# Altium PCB SPIDER_ROBOT.PcbDoc
Units mil, origin at the board's own origin, x right, y up, seen from the top; angles counter-clockwise.
Board outline 3267.72 x 1653.54 mil, 2 copper layers (Top Layer, Bottom Layer); 16 components, 26 nets, 98 pads, 5 vias.
Unrouted connection lines stored in the file: 50.
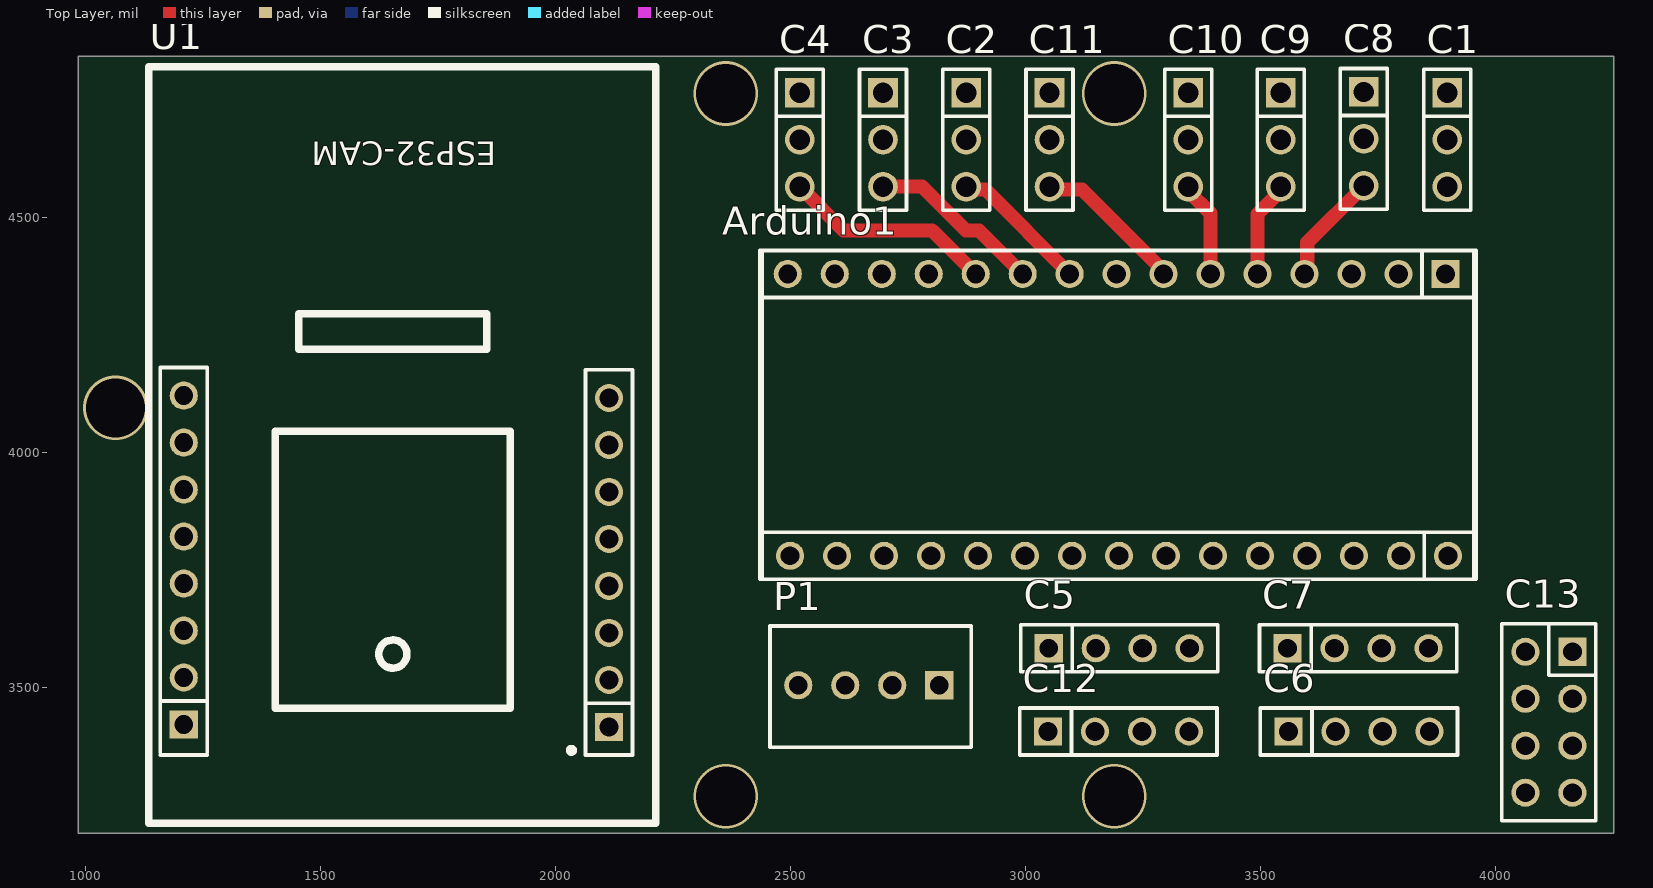
[diagram p0: Top Layer view]
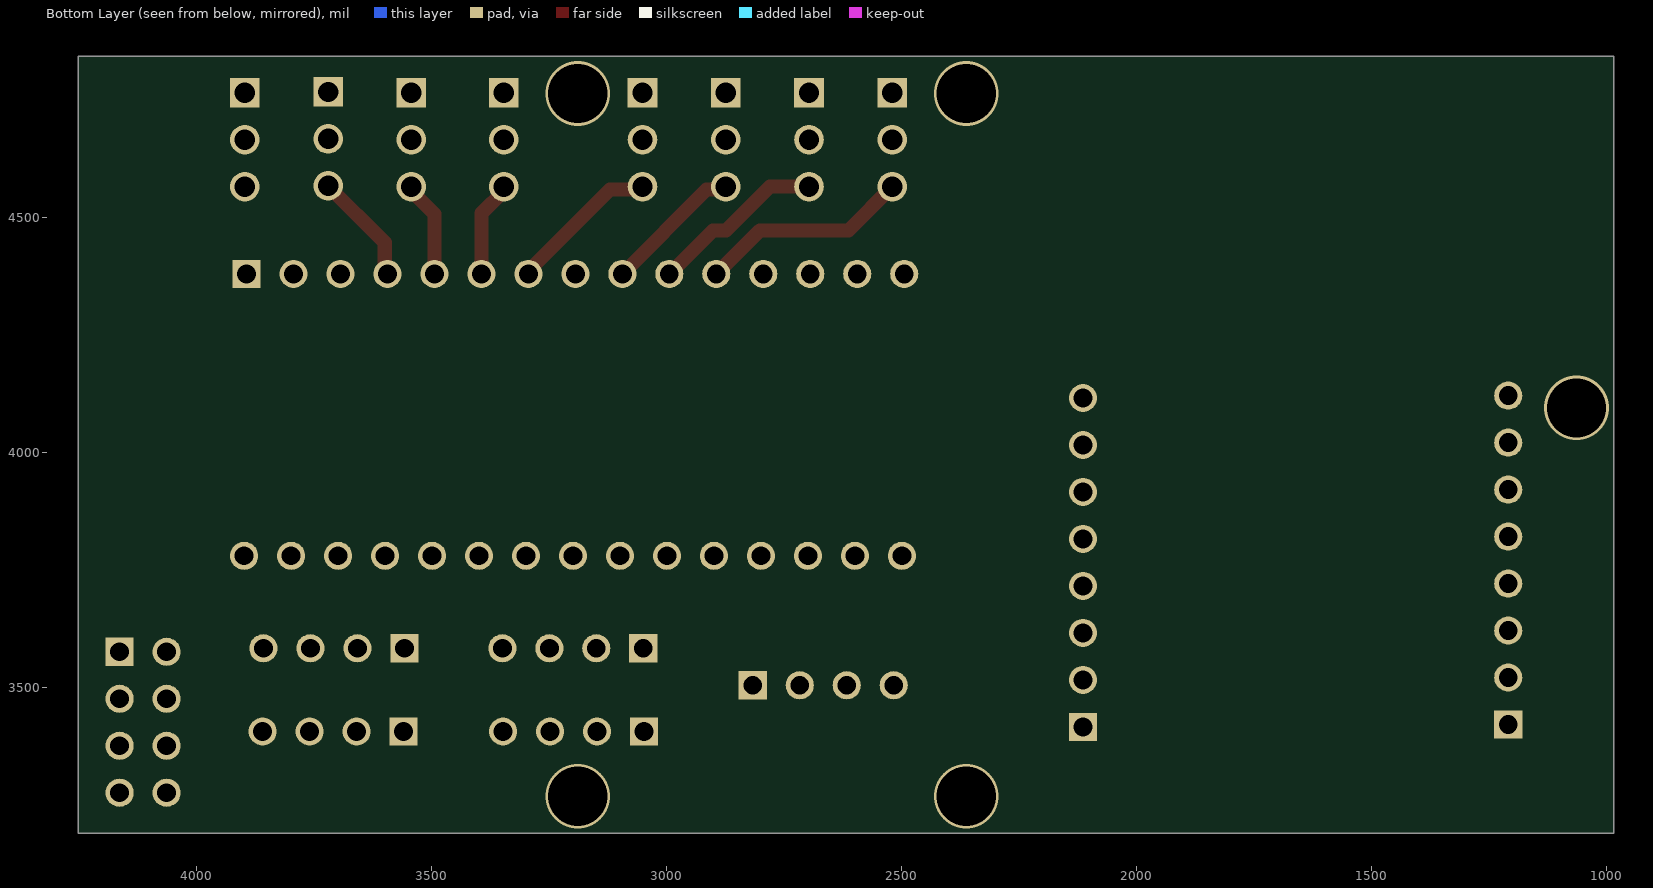
[diagram p1: Bottom Layer view, seen from below]

## Layer stack, top to bottom
Top Solder: solder mask 0.4, Solder Resist, Dk 3.5
Top Layer: signal copper 1.4
Dielectric 1: dielectric 12.6, FR-4, Dk 4.8
Bottom Layer: signal copper 1.4
Bottom Solder: solder mask 0.4, Solder Resist, Dk 3.5

## Board outline
984.25,4842.52 4251.97,4842.52 4251.97,3188.98 984.25,3188.98

## Design rules (kind name [scope] priority, off if disabled: settings)
Clearance [All] p1: gap=20 ignorepadtopadclearanceinfootprint=FALSE
PlaneConnect [All] p1: planeconnectstyle=Direct reliefexpansion=20 reliefentries=4 reliefconductorwidth=10 reliefairgap=10
PolygonConnect [All] p1: connectstyle=Direct reliefconductorwidth=10 reliefentries=4 polygonreliefangle="90 Angle" airgapwidth=10
RoutingVias [All] p1: holewidth=28 width=50 viastyle="Through Hole" minholewidth=28 minwidth=50 maxholewidth=28 maxwidth=50
SolderMaskExpansion [All] p1: expansion=4 istentingtop=FALSE
Width [All] p1: maxlimit=50 minlimit=20 preferedwidth=30 checkconnectedcopper=TRUE
29 further rules are at their usual default settings.

## Components (designator, comment, footprint, x,y, rotation, side; value= is the part's Value field where it differs from the comment)
Arduino1 "Arduino Nano" "Arduino Nano" 3189.21,4109.53 r90 top value="Cau 1A"
C1 "SV1" JP3-D1T 3897.64,4765.35 r270 top
C2 "SV2" JP3-D1T 2874.02,4765.35 r270 top
C3 "SV3" JP3-D1T 2696.85,4765.35 r270 top
C4 "SV4" JP3-D1T 2519.68,4765.35 r270 top
C5 "FLAME" JP4-C1T 3049.61,3582.68 r0 top
C6 "MQ2" JP4-C1T 3559.84,3405.51 r0 top
C7 "GPS" JP4-C1T 3558.27,3582.68 r0 top
C8 "SV5" JP3-D1T 3720.47,4766.93 r270 top
C9 "SV6" JP3-D1T 3543.31,4765.35 r270 top
C10 "SV7" JP3-D1T 3346.46,4765.35 r270 top
C11 "SV8" JP3-D1T 3051.18,4765.35 r270 top
C12 "SR-04" JP4-C1T 3048.03,3405.51 r0 top
C13 "RF" JP4-C2T 4114.17,3425.2 r270 top
P1 "5V" DOMINO_4P_2.54MM 2816.54,3503.94 r180 top
U1 "ESP CAM" ESP32_CAM 1653.54,3720.47 r180 top

## Footprints (in the part's own frame and the unit in brackets; to place one, negate y for a bottom-side part, rotate by r counter-clockwise, add the part's x,y. Pads: shape width x height; smd on the part's side, far side on the other; paste and mask are expansions set on the pad)
"Arduino Nano" [mm]
  round 1.52 hole 1.02: 3V3(6.858,-15.367) 5V(6.858,10.033) A0(6.858,-10.287) A1(6.858,-7.747) A2(6.858,-5.207) A3(6.858,-2.667) A4(6.858,-0.127) A5(6.858,2.413) A6(6.858,4.953) A7(6.858,7.493) D2(-8.382,7.366) D3(-8.382,4.826) D4(-8.382,2.286) D5(-8.382,-0.254) D6(-8.382,-2.794) D7(-8.382,-5.334) D8(-8.382,-7.874) D9(-8.382,-10.414) D10(-8.382,-12.954) D11(-8.382,-15.494) D12(-8.382,-18.034) GND(-8.382,9.906) GND(6.858,15.113) REF(6.858,-12.827) RST(-8.382,12.446) RST(6.858,12.573) RX0(-8.382,14.986) TX1(-8.382,17.526) VIN(6.858,17.653)
  rect 1.52x1.52 hole 1.02: D13(6.858,-17.907)
  silkscreen extent -9.65,-19.55 8.13,19.18, body extent -9.65,-23.48 8.14,21.44, height 21.18
DOMINO_4P_2.54MM [mm] "4 row, straight, gold plating"
  rect 1.52x1.52 hole 1.02: 1(0,0)
  round 1.52 hole 1.02: 2(2.54,0) 3(5.08,0) 4(7.62,0)
  silkscreen extent -1.73,-3.2 9.14,3.35, body extent -1.59,-3.06 9.02,3.21, height 8.5
ESP32_CAM [mm]
  rect 1.52x1.52 hole 1.02: 1(-11.684,7.747) 16(11.303,7.62)
  round 1.52 hole 1.02: 2(-11.684,5.207) 3(-11.684,2.667) 4(-11.684,0.127) 5(-11.684,-2.413) 6(-11.684,-4.953) 7(-11.684,-7.493) 8(-11.684,-10.033) 9(11.303,-10.16) 10(11.303,-7.62) 11(11.303,-5.08) 12(11.303,-2.54) 13(11.303,0) 14(11.303,2.54) 15(11.303,5.08)
  silkscreen extent -14.22,-27.94 13.21,12.95, body extent -13.97,-27.87 13.03,12.63, height 21.26
JP3-D1T [mm] "3 pins, 1 row, straight, gold plating"
  rect 1.6x1.6 hole 1.1: 1(0,0)
  round 1.6 hole 1.1: 2(2.54,0) 3(5.08,0)
  silkscreen extent -1.27,-1.27 6.35,1.27, body extent -1.27,-1.27 6.35,1.27, height 8.54
JP4-C1T [mm] "4 row, straight, gold plating"
  rect 1.52x1.52 hole 1.02: 1(0,0)
  round 1.52 hole 1.02: 2(2.54,0) 3(5.08,0) 4(7.62,0)
  silkscreen extent -1.52,-1.27 9.14,1.27, body extent -1.52,-1.25 9.14,1.25, height 8.51
JP4-C2T [mm] "8 pins, dual row, straight, gold plating"
  rect 1.52x1.52 hole 1.02: 1(-3.81,1.27)
  round 1.52 hole 1.02: 2(-1.27,1.27) 3(1.27,1.27) 4(3.81,1.27) 5(3.81,-1.27) 6(1.27,-1.27) 7(-1.27,-1.27) 8(-3.81,-1.27)
  silkscreen extent -5.33,-2.54 5.33,2.54, body extent -5.33,-2.54 5.33,2.54, height 8.51

## Part data
Arduino1: "Arduino NANO"
C1 C2 C3 C4 C8 C9 C10 C11: library part JP3, "WR-PHD 2.54 mm Angled Socket Header", Manufacturer="W¨¹rth Elektronik eiSos GmbH", partNo=613003143121, ComponentLink1 Description=Manufacturer, ComponentLink1URL=http://www.we-online.com, ComponentLink2 Description=Datasheet, ComponentLink2URL=http://katalog.we-online.de/em/datasheet/6130xx143121.pdf, Created by="Karrer Zheng", Created Date="29 March 2013", NoPins=03
C5 C6 C7 C12: library part JP4, "WR-PHD 2.54 mm Angled Socket Header", Manufacturer="W¨¹rth Elektronik eiSos GmbH", partNo=613004143121, ComponentLink1 Description=Manufacturer, ComponentLink1URL=http://www.we-online.com, ComponentLink2 Description=Datasheet, ComponentLink2URL=http://katalog.we-online.de/em/datasheet/6130xx143121.pdf, Created by="Karrer Zheng", Created Date="29 March 2013", NoPins=04
C13: library part JP4x2, "WR-PHD 2.54 mm Dual Socket Header", Manufacturer="W¨¹rth Elektronik eiSos GmbH", partNo=61300821821, ComponentLink1 Description=Manufacturer, ComponentLink1URL=http://www.we-online.com, ComponentLink2 Description=Datasheet, ComponentLink2URL=http://katalog.we-online.de/em/datasheet/6130xx21821.pdf, Created by="Karrer Zheng", Created Date="29 March 2013", NoPins=08
P1: library part "Domino 4 pin"
U1: library part ESP32_CAM, "ESP-12 Wi-Fi Module by AI-Thinker", IC=ESP8266-EX, Vendor=Ai-thinker

## Via types
v1: diameter 137.8, hole 125.98, Top Layer to Bottom Layer, 5 vias

## Nets (pads, with @x,y where several pads share a name; then routed paths per layer and width w, separated by ;. In a path a pad name is that pad's centre, name@x,y a point inside that pad or via, vN(x,y) a via of type N, cw(c..) or ccw(c..) an arc to the next point about the centre after c; other vN are vias at no path point)
3V3: Arduino1.3V3 C13.1
5V: Arduino1.5V C5.1 C6.1 C7.1 C12.1
A0: Arduino1.A0 C8.3 | length 239.7
  Top Layer w30: Arduino1.A0 3599.92,4385.24 3599.92,4446.38 C8.3
A1: Arduino1.A1 C9.3 | length 206.2
  Top Layer w30: Arduino1.A1 3494.21,4507.33 3543.31,4556.43 C9.3
A2: Arduino1.A2 C10.3 | length 205.6
  Top Layer w30: C10.3 3346.46,4556.43 3394.21,4508.67 Arduino1.A2
A3: Arduino1.A3 C11.3 | length 323.5
  Top Layer w30: C11.3 3057.49,4559.04 3120.65,4559.04 3294.21,4385.48 Arduino1.A3
A4: Arduino1.A4 C6.4
A5: Arduino1.A5 C2.3 | length 297.2
  Top Layer w30: C2.3 2880.33,4559.04 2914.7,4559.04 Arduino1.A5
A6: Arduino1.A6 C3.3 | length 374.3
  Top Layer w30: C3.3 2779.98,4565.35 2873.19,4472.14 2901.6,4472.14 Arduino1.A6
A7: Arduino1.A7 C4.3 | length 451.5
  Top Layer w30: C4.3 2612.9,4472.14 2801.6,4472.14 Arduino1.A7
D2: Arduino1.D2 C12.2
D3: Arduino1.D3 C12.3
D4: Arduino1.D4 C5.3
D5: Arduino1.D5 C7.2
D6: Arduino1.D6 C7.3
D7: Arduino1.D7 C1.3
D8: Arduino1.D8 C13.2
D9: Arduino1.D9 C13.7
D10: Arduino1.D10
D11: Arduino1.D11 C13.3
D12: Arduino1.D12 C13.5
D13: Arduino1.D13 C13.6
GND: Arduino1.GND C1.1 C2.1 C3.1 C4.1 C5.2 C6.2 C7.4 C8.1 C9.1 C10.1 C11.1 C12.4 C13.8 P1.2 P1.4 U1.2 U1.9 U1.13
  other v1: 2362.2,4763.78
RX: Arduino1.RX0 U1.10
TX: Arduino1.TX1 U1.11
VIN: Arduino1.VIN C1.2 C2.2 C3.2 C4.2 C8.2 C9.2 C10.2 C11.2 P1.1 P1.3 U1.1
pads on no net: Arduino1.REF Arduino1.RST C5.4 C6.3 C13.4 U1.3 U1.4 U1.5 U1.6 U1.7 U1.8 U1.12 U1.14 U1.15 U1.16
copper on no net:
  other v1: 2362.2,3267.72 3188.98,3267.72 1062.99,4094.49 3188.98,4763.78

## Text inside footprints (layer, text, board x,y; h text height)
U1: Top Overlay "ESP32-CAM" at 1873.54,4660.47 h50 r180; Mechanical 4 ">VALUE" at 1346.04,4329.97 h1.55 r270; Mechanical 4 ">VALUE" at 1346.04,4250.97 h1.55 r270; Mechanical 4 ">VALUE" at 1346.04,4172.97 h1.55 r270; Mechanical 4 ">VALUE" at 1346.04,4093.97 h1.55 r270; Mechanical 4 ">VALUE" at 1346.04,4014.97 h1.55 r270; Mechanical 4 ">VALUE" at 1346.04,3935.97 h1.55 r270; Mechanical 4 ">VALUE" at 1346.04,3857.97 h1.55 r270; Mechanical 4 ">VALUE" at 1346.04,3778.97 h1.55 r270; Mechanical 4 ">VALUE" at 2055.04,3503.97 h1.55 r270; Mechanical 4 ">VALUE" at 2055.04,3582.97 h1.55 r270; Mechanical 4 ">VALUE" at 2055.04,3660.97 h1.55 r270; Mechanical 4 ">VALUE" at 2055.04,3739.97 h1.55 r270; Mechanical 4 ">VALUE" at 2055.04,3818.97 h1.55 r270; Mechanical 4 ">VALUE" at 2055.04,3897.97 h1.55 r270; Mechanical 4 ">VALUE" at 2055.04,3975.97 h1.55 r270; Mechanical 4 ">VALUE" at 2054.04,3975.97 h1.55 r270; Mechanical 4 ">VALUE" at 2053.04,3584.97 h1.55 r270; Mechanical 4 ">VALUE" at 2053.04,3504.97 h1.55 r270